# KiCad board analog_i.kicad_pcb (continued)
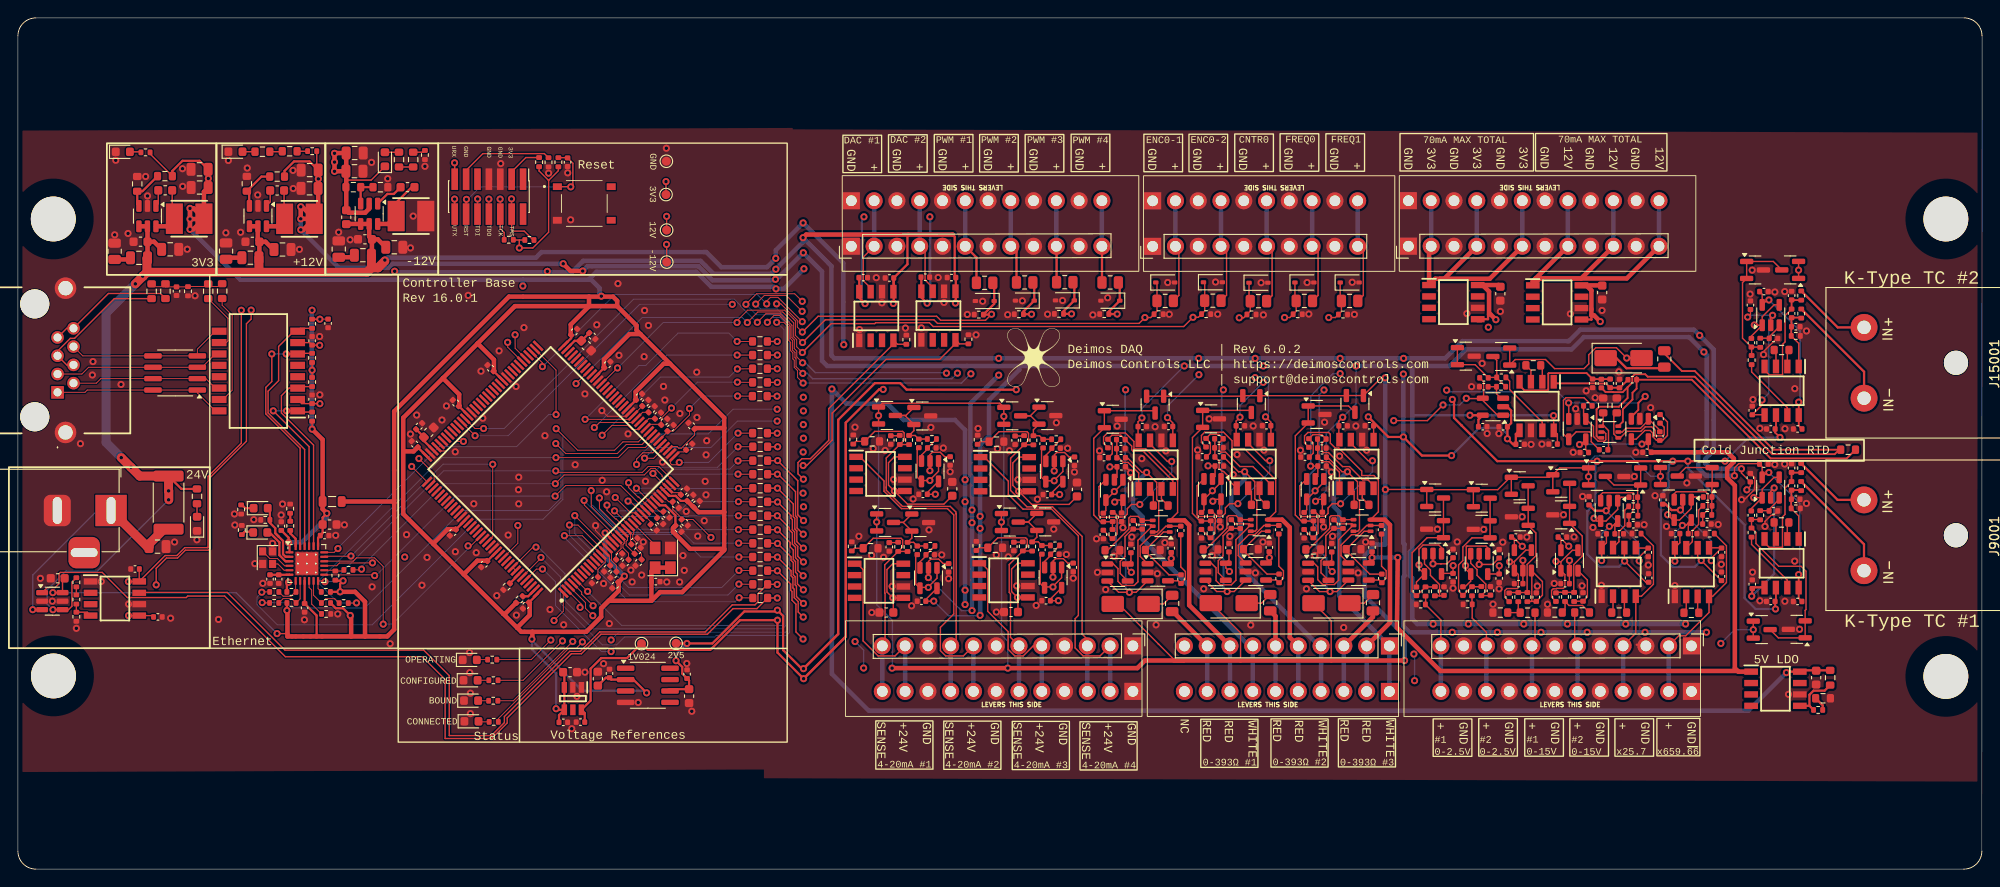
[diagram p0: board, top side]
## Routing (per net, layer and track width the routed paths; a pad name or vN(x,y) marks a point on that pad's centre or on a via; arc(x,y) is an arc through that point) (continued)
/analog_frontend/4-20mA Frontend1/+24_EXC: length 39.5
  Top w0.15: IC20001.1 93.89,46.01 96.58,43.32 96.58,42.19 98.53,40.23 103.65,40.23 104.36,39.53 104.36,28.47 102.87,26.98 102.87,24.38 103.46,23.79 105.43,23.79 J3003.8
  Bottom w0.5: J3003.8 J3003.8
/analog_frontend/4-20mA Frontend1/SIGNAL: length 43.8
  Top w0.15: 96.83,42.52 96.83,42.63 ; 96.83,42.63 96.83,42.29 98.63,40.48 103.96,40.48 104.59,39.85 104.59,39.67 104.63,39.64 104.63,25.53 J3003.9 ; 96.83,42.63 96.83,45.88 R14001.2 ; R14001.2 99.36,47.39 R33001.1 ; R14001.2 98.83,47.88 98.83,48.67 98.65,48.85 95.54,48.85 R14002.2 93.45,47.74 R32001.1
  Bottom w0.5: J3003.9 J3003.9
/analog_frontend/4-20mA Frontend2/+24_EXC: length 20.7
  Top w0.15: J3003.5 113.22,24.91 112.1,23.79 111.16,23.79 110.42,24.54 110.42,26.5 108.14,28.78 108.14,33.43 107.44,34.13 IC24001.1
  Bottom w0.5: J3003.5 J3003.5
/analog_frontend/4-20mA Frontend2/SIGNAL: length 25.6
  Top w0.15: R31001.1 113.09,35.51 R18001.2 ; R18001.2 112.55,36 112.55,36.8 112.37,36.97 109.27,36.97 R18002.2 107.18,35.86 R30001.1 ; R18001.2 110.54,33.99 110.54,30.88 110.68,30.74 110.68,25.86 J3003.6
  Bottom w0.5: J3003.6 J3003.6
/analog_frontend/4-20mA Frontend3/+24_EXC: length 37.9
  Top w0.15: IC28001.1 107.75,45.98 110.44,43.29 110.44,41.81 112.1,40.16 112.11,40.17 115.27,40.17 118.25,37.19 118.25,28.31 117.89,27.95 117.89,24.68 118.78,23.79 120.66,23.79 J3003.2
  Bottom w0.5: J3003.2 J3003.2
/analog_frontend/4-20mA Frontend3/SIGNAL: length 42.2
  Top w0.15: R22001.2 113.23,47.36 R29001.1 ; R22001.2 112.69,47.85 112.69,48.65 112.51,48.82 109.41,48.82 R22002.2 107.32,47.71 R28001.1 ; R22001.2 110.69,45.85 110.69,42.26 112.52,40.43 115.37,40.43 118.67,37.12 118.67,26.22 119.25,25.65 J3003.3
  Bottom w0.5: J3003.3 J3003.3
/analog_frontend/4-20mA Frontend/+24_EXC: length 20.1
  Top w0.15: J3003.11 97.81,23.79 95.92,23.79 94.24,25.47 94.24,33.43 93.59,34.08 IC17004.1
  Bottom w0.5: J3003.11 J3003.11
/analog_frontend/4-20mA Frontend/SIGNAL: length 25.3
  Top w0.15: R34001.1 93.28,35.81 R11002.2 95.37,36.92 98.48,36.92 98.66,36.75 98.66,35.95 R11001.2 ; R11001.2 96.66,33.95 96.66,30.82 96.69,30.79 96.69,25.22 J3003.12 ; R11001.2 99.19,35.46 R35001.1
  Bottom w0.5: J3003.12 J3003.12
/analog_frontend/AIN2: length 127.7
  Top w0.15: C15007.2 163.44,54.39 163.44,52.81 163.14,52.51 ; v1(153.42,50.05) 157.17,50.05 v1(158.92,51.8) ; 165.41,50.61 165.04,50.61 163.14,52.51 ; 163.14,52.51 161.54,52.51 v1(161.51,52.55) ; R6003.1 84.67,33.31 v1(84.69,33.29) 86.17,31.81 86.17,31.13 86.32,30.98 86.32,30 86.76,29.56 86.76,26.47 v1(87.55,25.68)
  In2.Cu w0.15: v1(155.67,24) 155.67,33.34 155.65,33.35 155.65,36.07 155.67,36.09 155.67,46.24 153.42,48.49 v1(153.42,50.05) ; v1(155.74,21.03) 155.03,21.74 95.01,21.74 v1(94.3,22.44) ; v1(87.55,25.68) 87.83,25.4 v1(93.35,25.4)
  Bottom w0.15: v1(158.92,51.8) 160.77,51.8 v1(161.51,52.55) ; v1(93.35,25.4) 94.3,24.44 v1(94.3,22.44) 94.34,22.4 ; v1(155.67,24) 155.74,23.93 v1(155.74,21.03)
/analog_frontend/AIN3: length 32.5
  Top w0.15: v1(87.57,28.13) 87.01,28.69 87.01,29.85 86.57,30.29 86.57,31.24 86.42,31.39 86.42,32.53 86.21,32.74 86.21,33.3 v1(84.69,34.82) 84.68,34.83 R6007.1 ; U35001.1 102.49,32.47 101.52,31.5 v1(101.52,31.44) 100.68,31.44 U35001.4 100.11,31.82 100.11,34.93 C35002.2
  In2.Cu w0.15: v1(101.52,31.44) 100.83,32.13 97.24,32.13 93.24,28.13 v1(87.57,28.13)
/analog_frontend/AIN4: length 41.7
  Top w0.15: 102.66,45.55 102.66,44.4 101.69,43.43 v1(101.69,43.37) 100.85,43.37 U33001.4 100.28,43.75 100.28,46.85 C33002.2 ; v1(87.59,29.65) 86.82,30.42 86.82,31.58 86.67,31.73 86.67,32.63 86.46,32.84 86.46,34.22 86.21,34.47 86.21,34.84 v1(84.71,36.34) 84.69,36.36 R6008.1
  In2.Cu w0.15: v1(101.69,43.37) 101.69,43.65 101.12,44.23 97.17,44.23 94.62,41.68 94.62,40.49 87.75,33.63 87.64,33.63 86.89,32.89 86.89,32.59 87.45,32.04 88.16,32.04 88.16,30.22 v1(87.59,29.65)
/analog_frontend/AIN5: length 53.4
  Top w0.15: R6004.1 84.68,37.88 v1(84.7,37.86) 86.11,36.45 86.11,35.96 86.46,35.61 86.46,34.57 86.71,34.32 86.71,33.13 86.92,32.92 86.92,31.83 v1(87.58,31.17) ; U31001.1 116.38,32.52 115.42,31.55 v1(115.42,31.49) 114.58,31.49 U31001.4 114.01,31.87 114.01,34.98 C31002.2
  In2.Cu w0.15: v1(115.42,31.49) 116.6,30.31 116.6,29.72 114.3,27.43 87.3,27.43 86.77,27.96 86.77,30.36 v1(87.58,31.17)
/analog_frontend/AIN6: length 51.6
  Top w0.15: v1(87.56,32.74) 86.98,33.32 86.98,34.47 86.71,34.74 86.71,35.92 86.36,36.27 86.36,37.53 86.01,37.87 86.01,38.1 v1(84.68,39.43) R6005.1 ; C29002.2 114.15,46.83 114.15,43.72 U29001.4 114.72,43.34 v1(115.56,43.34) 115.56,43.4 116.52,44.37 U29001.1
  In2.Cu w0.15: v1(115.56,43.34) 116.74,42.16 116.74,41.57 111.42,36.25 91.07,36.25 v1(87.56,32.74)
/analog_frontend/AIN7: length 69.9
  Top w0.15: v1(87.59,34.28) 86.96,34.91 86.96,36.02 86.61,36.37 86.61,37.64 86.36,37.89 86.36,39 86.21,39.15 86.21,39.47 v1(84.71,40.97) 84.7,40.98 R6006.1 ; U21001.1 123.22,43.08 122.28,42.14 v1(122.26,42.14) 122.26,42.12 U21001.4 121.32,40.01 C21002.2
  In2.Cu w0.15: v1(87.59,34.28) 86.52,33.2 86.52,27.68 87.22,26.97 118.92,26.97 119.7,27.75 119.7,39.58 v1(122.26,42.14)
/analog_frontend/AIN8: length 77.9
  Top w0.15: R6009.1 84.69,42.51 v1(84.7,42.51) 86.46,40.75 86.46,39.33 86.63,39.16 86.63,37.97 86.86,37.74 86.86,36.54 v1(87.58,35.82) ; C24003.2 132.26,40.09 U24001.4 133.2,42.21 v1(133.2,42.22) 133.21,42.22 134.16,43.17 U24001.1
  In2.Cu w0.15: v1(87.58,35.82) 86.27,34.5 86.27,27.57 87.12,26.72 119.79,26.72 121.88,28.81 121.88,31.89 131.69,41.7 132.68,41.7 v1(133.2,42.22)
/analog_frontend/AIN9: length 106.2
  Top w0.15: R6010.1 v1(84.69,44.07) 84.76,44.07 86.71,42.12 86.71,39.44 86.88,39.27 86.88,38.07 v1(87.57,37.38) ; C27002.2 143.71,40.09 U27001.4 144.65,42.2 v1(144.65,42.22) 144.67,42.22 145.61,43.16 U27001.1
  In2.Cu w0.15: 143.72,26.41 143.99,26.68 ; 143.72,26.41 143.99,26.68 ; 143.72,26.41 87.07,26.41 86.02,27.47 86.02,35.83 v1(87.57,37.38) ; 143.99,26.68 151.57,34.26 151.57,35.3 150.94,35.93 149,35.93 144.12,40.81 144.12,41.69 v1(144.65,42.22)
/analog_frontend/AIN10: length 154.9
  Top w0.15: U17002.1 193.29,40.24 C17006.2 ; U17002.1 v1(193.57,41.46) 193.58,41.45 ; U17002.1 194.5,42.4 195.83,43.72 U17002.4 ; R6011.1 84.71,45.58 v1(84.72,45.59) 86.96,43.35 86.96,39.54 v1(87.6,38.9)
  In2.Cu w0.15: v1(193.57,41.46) 191.72,39.61 191.72,24.35 189.77,22.4 127.53,22.4 126.39,23.54 95.32,23.54 94.15,24.71 87.37,24.71 85.77,26.32 85.77,37.06 v1(87.6,38.9)
/analog_frontend/AIN11: length 178.5
  Top w0.15: U19001.1 193.3,59.49 C19002.2 ; U19001.1 194.51,61.65 195.83,62.97 U19001.4 ; U19001.1 193.66,60.7 v1(193.63,60.72) ; R6012.1 v1(84.72,47.13)
  In2.Cu w0.15: v1(84.72,47.13) 85.81,47.13 86.03,46.92 86.03,45.55 86.42,45.15 86.42,43.96 86.73,43.65 86.73,42.38 86.95,42.16 86.95,41.09 v1(87.6,40.44) 85.52,38.36 85.52,26.11 87.3,24.33 93.92,24.33 94.97,23.29 126.06,23.29 127.36,21.99 189.79,21.99 192.39,24.59 192.39,38.98 194.14,40.73 194.14,42.95 192.79,44.3 192.79,59.89 v1(193.63,60.72)
/analog_frontend/AIN12: length 112.4
  Top w0.15: C47002.2 155.95,32.04 U47001.4 156.23,33.55 v1(156.23,33.95) 156.23,35.72 156.68,36.17 158.45,36.17 158.75,35.87 U47001.1 ; R6013.1 84.66,48.66 v1(84.67,48.65)
  In2.Cu w0.15: v1(156.23,33.95) 156.23,33.95 156.23,50.34 155.14,51.43 91.54,51.43 91.18,51.08 91.18,41.96 87.55,41.96 v1(87.55,41.96) 86.98,42.53 86.98,43.8 86.67,44.11 86.67,45.26 86.28,45.66 86.28,47.53 85.15,48.65 v1(84.67,48.65)
/analog_frontend/AIN13_DAC0: length 50.6
  Top w0.1: 72.56,47.52 IC6001.40 70.89,45.85 69.91,45.85 v1(69.88,45.86) 69.89,45.85 69.9,45.85
  Top w0.15: R53001.1 98.07,58.57 IC53001.4 ; IC53001.4 97.63,58.61 90.42,51.4 90.42,47.85 88.37,45.8 87.42,45.8 86.98,45.37 86.98,44.11 v1(87.58,43.52) ; IC53001.4 97.6,58.99
  In2.Cu w0.1: v1(84.66,50) 85.73,50 86.33,49.41 86.33,47.8 86.5,47.62 86.5,45.75 86.9,45.35 86.9,44.2 v1(87.58,43.52)
  Bottom w0.1: v1(84.66,50) 80.23,50 77.27,47.04 71.06,47.04 v1(69.88,45.86)
/analog_frontend/AIN14_DAC1: length 57.2
  Top w0.1: 69,45.15 v1(68.99,45.16) 69,45.77 69.68,46.46 70.79,46.46 IC6001.41
  Top w0.15: v1(87.56,45.04) 87.96,45.04 90.79,47.88 90.79,50.88 96.82,56.9 102.8,56.9 104.55,58.65 IC54001.4 ; IC54001.4 104.52,59.04 ; IC54001.4 105,58.62 R54001.1
  In2.Cu w0.1: v1(87.56,45.04) 86.7,45.9 86.7,47.78 86.53,47.95 86.53,49.5 86.14,49.88 86.14,50.82 85.64,51.33 v1(84.66,51.33)
  Bottom w0.1: v1(84.66,51.33) 79.75,51.33 76.99,48.57 71.79,48.57 68.99,45.76 v1(68.99,45.16)
/analog_frontend/AIN15: length 111.8
  Top w0.15: U45001.1 163.9,35.86 163.7,36.05 161.59,36.05 161.51,35.97 161.51,33.41 U45001.4 162,32.13 161.37,31.51 C45002.2 161.17,31.54 ; R6016.1 84.65,52.79 v1(84.65,52.78)
  In2.Cu w0.15: v1(161.43,33.87) 161.43,41.32 160.77,41.98 158.19,41.98 156.75,43.42 156.75,50.23 155.3,51.68 91.44,51.68 90.73,50.97 90.73,46.63 87.64,46.63 v1(87.56,46.55) 86.96,47.15 86.96,48.11 86.75,48.32 86.75,49.66 86.37,50.04 86.37,50.92 86.17,51.12 86.17,52.24 85.63,52.78 v1(84.65,52.78)
/analog_frontend/AIN16: length 115.8
  Top w0.15: 166.87,34.32 U43001.1 167.32,32.87 167.32,31.43 167.2,31.31 166.03,31.31 165.81,31.09 165.81,30.34 C43002.2 ; 166.87,34.32 166.85,34.3 v1(166.35,34.3) ; 166.87,34.32 168.14,35.6 U43001.4 ; R6017.1 v1(84.68,54.32)
  In2.Cu w0.15: v1(84.68,54.32) 85.8,54.32 85.98,54.14 85.98,52.78 86.42,52.34 86.42,51.22 86.62,51.02 86.62,50.14 87,49.76 87,48.68 v1(87.59,48.09) 90.31,48.09 90.32,48.1 90.32,50.92 91.34,51.94 155.76,51.94 157.26,50.44 157.26,43.61 158.24,42.63 165.07,42.63 166.35,41.35 v1(166.35,34.3)
/analog_frontend/AIN17: length 119.3
  Top w0.15: v1(171.51,34.35) 171.55,34.31 172.06,34.31 ; C41002.2 171.02,30.36 171.02,31.11 171.2,31.29 171.56,31.29 171.61,31.33 172.33,31.33 172.5,31.5 172.5,32.87 U41001.1 172.06,34.31 ; 172.06,34.31 173.34,35.58 U41001.4 ; R6018.1 84.67,55.85 v1(84.67,55.84)
  In2.Cu w0.15: v1(171.51,34.35) 171.51,41.04 168.92,43.63 158.49,43.63 157.85,44.27 157.85,50.47 156.05,52.27 91.32,52.27 89.99,50.94 89.99,49.63 89.97,49.61 v1(87.58,49.61) 86.87,50.32 86.87,51.24 86.67,51.44 86.67,52.55 86.23,52.99 86.23,55.8 86.19,55.84 v1(84.67,55.84)
/analog_frontend/AIN18: length 116.3
  Top w0.15: C39002.2 178.78,41.51 U39001.1 178.39,40.14 177.09,38.84 U39001.4 176.07,38.84 v1(175.76,39.16) ; R6019.1 v1(84.68,57.37)
  In2.Cu w0.15: v1(175.76,39.16) 175.76,44.56 175.66,44.65 173.72,44.65 173.46,44.39 173.46,44.35 158.79,44.35 158.32,44.83 158.32,50.58 158.34,50.6 156.42,52.52 91.21,52.52 89.83,51.14 v1(87.59,51.14) 86.92,51.81 86.92,52.82 86.48,53.26 86.48,57.1 86.21,57.37 v1(84.68,57.37)
/analog_frontend/AIN19: length 123.4
  Top w0.15: 184.7,38.95 185.29,38.95 186.6,40.26 186.6,41.23 186.9,41.53 C37002.2 ; U37001.4 184.56,38.95 v1(183.97,39.55) ; R6020.1 v1(84.67,58.89)
  In2.Cu w0.15: v1(183.97,39.55) 184.11,39.69 184.11,43.89 183.09,44.9 159.17,44.9 158.69,45.38 158.69,49.17 158.67,49.19 158.67,50.8 156.7,52.77 87.69,52.77 v1(87.58,52.66) 86.73,53.51 86.73,58.83 86.67,58.89 v1(84.67,58.89)
/analog_frontend/COUNTER0: length 106.1
  Top w0.1: v1(82.45,61.03) 83.4,61.98 85.02,61.98 86.31,60.69 86.31,59.32 86.57,59.06 86.57,58.1 86.85,57.82 86.85,57.16 v1(87.5,56.51) ; IC6001.96 50.97,49.17 v1(51.93,49.17)
  Top w0.15: v1(136.19,61.53) 136.68,61.53 R50002.1 137.42,62.27 R50001.2 137.28,63.52 D50001.1
  In2.Cu w0.15: v1(103.54,55.35) 107.62,59.43 126.09,59.43 126.31,59.64 134.3,59.64 v1(136.19,61.53)
  Bottom w0.1: v1(51.93,49.17) 54.22,49.17 68.65,63.61 79.86,63.61 80.61,62.86 80.61,62.79 82.38,61.03 v1(82.45,61.03)
  Bottom w0.15: v1(103.54,55.35) 103.49,55.4 88.92,55.4 87.81,56.51 v1(87.5,56.51)
/analog_frontend/dac_buf1/VOUT: length 10.7
  Top w0.15: J3006.4 101.16,68.91 101.16,65.75 102.01,64.9 IC54001.7
  Bottom w0.5: J3006.4 J3006.4
/analog_frontend/dac_buf/VOUT: length 11
  Top w0.15: 95.09,64.44 95.09,64.86 94.27,65.68 94.27,68.31 J3006.2
  Bottom w0.5: J3006.2 J3006.2
/analog_frontend/ENCODER0_0: length 73
  Top w0.1: v1(80.19,61.01) 80.19,61.2 81.37,62.38 85.5,62.38 86.71,61.17 86.71,59.56 v1(87.5,58.78) ; v1(66.86,55.93) 65.08,54.16 IC6001.60
  Top w0.15: v1(125.67,61.56) 125.02,60.9 102.54,60.9 102.14,61.3 90.02,61.3 v1(87.5,58.78) ; v1(125.67,61.56) 125.68,61.56 ; v1(125.67,61.56) 126.32,61.56 R48002.1 126.69,61.97 127.02,62.29 R48001.2 127.02,65.34 D48001.1
  Bottom w0.1: 66.88,55.92 66.86,55.9 v1(66.86,55.93) 66.89,55.93 71.96,61.01 v1(80.19,61.01)
/analog_frontend/ENCODER0_1: length 84.7
  Top w0.1: v1(81.33,61) 82.51,62.18 85.28,62.18 86.51,60.95 86.51,59.41 86.84,59.08 86.84,58.3 v1(87.48,57.66) ; 62.27,54.2 62.24,54.17 v1(62.24,54.18) 62.25,54.18 63.64,55.57 IC6001.64
  Top w0.15: v1(87.48,57.66) 90.69,60.88 95.54,60.88 95.64,60.98 101.64,60.98 102.07,60.55 130,60.55 v1(131.03,61.58) 131.63,61.58 R49002.1 132.34,62.29 R49001.2 132.34,65.36 D49001.1
  Bottom w0.1: v1(62.24,54.18) 69.61,61.56 80.78,61.56 v1(81.33,61)
/analog_frontend/FREQ0: length 144.9
  Top w0.1: v1(87.53,55.33) 86.77,56.08 86.77,56.96 86.65,57.08 86.65,57.66 86.37,57.94 86.37,58.98 86.11,59.24 86.11,60.61 84.94,61.78 84.3,61.78 83.57,61.05 v1(83.57,61.03) ; 57.78,35.87 57.37,35.87 IC6001.136 IC6001.137
  Top w0.15: v1(141.24,61.56) 141.83,61.56 R51002.1 142.54,62.26 142.54,63.41 142.4,63.55 D51001.1
  In2.Cu w0.15: v1(104.77,55.35) 108.24,58.83 136.29,58.83 137.46,59.99 139.68,59.99 v1(141.24,61.56)
  Bottom w0.1: v1(83.57,61.03) 84.12,61.58 84.97,61.58 85.62,60.93 85.62,27.16 85.27,26.81 64.14,26.81 61.01,29.95 61.01,32.96 58.12,35.85 57.78,35.87 57.8,35.85
  Bottom w0.15: 104.84,55.43 v1(104.77,55.35) 104.14,54.73 88.62,54.73 88.02,55.33 v1(87.53,55.33) 87.58,55.28
  vias: v1(57.77,35.93)
/analog_frontend/FREQ1: length 134.5
  Top w0.1: IC6001.5 62.26,32.26 v1(63.53,30.99) ; v1(84.61,61.03) 85.41,61.03 85.91,60.52 85.91,59.04 86.17,58.78 86.17,57.86 86.41,57.61 86.41,56.94 86.57,56.79 86.57,56 86.94,55.63 86.94,54.86 v1(87.56,54.25)
  Top w0.15: v1(146.17,61.56) 146.91,61.56 R52002.1 147.59,62.23 R52001.2 147.45,63.55 D52001.1
  In2.Cu w0.15: v1(106.27,55.28) 108.9,57.92 137.1,57.92 138.25,59.07 143.68,59.07 v1(146.17,61.56)
  Bottom w0.1: v1(63.53,30.99) 67.32,27.2 85.38,27.2 85.42,27.25 85.42,60.22 v1(84.61,61.03)
  Bottom w0.15: v1(106.27,55.28) 106.25,55.28 105.22,54.25 v1(87.56,54.25)
/analog_frontend/K-Type TC Amp1/Signal+: length 12.5
  Top w0.15: IC15001.4 194.77,55.68 195.3,55.16 196.78,55.16 196.78,58.56 197.06,58.85 197.06,61.78 C15002.1
  Top w0.2: R15001.2 197.81,63.5 C15001.1 C15002.1
/analog_frontend/K-Type TC Amp1/Signal-: length 6.8
  Top w0.15: IC15001.1 198.58,58.67 R15003.1
  Top w0.2: 198.85,61.56 197.89,61.56 197.85,61.6 ; R15003.1 197.75,60.51 197.77,60.53 197.77,61.53 C15002.2
/analog_frontend/K-Type TC Amp/Signal+: length 12.5
  Top w0.15: IC9001.4 194.77,36.43 195.29,35.91 196.77,35.91 196.77,39.31 197.05,39.59 197.05,42.52 C9002.1
  Top w0.2: C9002.1 C9001.1 197.8,44.25 R9001.2
/analog_frontend/K-Type TC Amp/Signal-: length 6.8
  Top w0.15: R9003.1 198.58,39.42 IC9001.1
  Top w0.2: 198.84,42.31 197.88,42.31 197.84,42.35 ; R9003.1 197.74,41.26 C9003.1 197.76,42.28 C9002.2
/analog_frontend/PWM0: length 74.4
  Top w0.1: v1(84.6,63.09) 85.07,63.09 86.91,61.25 86.91,60.5 v1(87.47,59.94) ; v1(50.98,48.37) 49.51,49.83 IC6001.97
  Top w0.15: v1(108.57,61.93) 107.9,61.25 102.89,61.25 102.44,61.7 89.23,61.7 v1(87.47,59.94)
  Top w0.25: R55002.1 108.87,65.28 108.87,63.1 R55001.1 108.53,61.89 v1(108.57,61.93)
  In2.Cu w0.1: v1(84.6,63.09) 84,62.48 80.21,62.48 v1(79.66,63.03)
  Bottom w0.1: v1(79.66,63.03) 69.33,63.03 54.67,48.37 v1(50.98,48.37) 50.98,48.32 51.01,48.35
/analog_frontend/PWM1: length 67.4
  Top w0.1: IC6001.75 58.49,56.5 v1(58.49,56.08) ; v1(83.49,63.09) 83.49,63.39 83.91,63.81 84.75,63.81 v1(87.46,61.1)
  Top w0.25: v1(113.03,61.93) R56001.1 112.13,62.24 D56001.1 113.33,65.32 R56002.1
  In2.Cu w0.15: v1(113.03,61.93) 112.2,61.1 v1(87.46,61.1)
  Bottom w0.1: 58.5,56.07 58.49,56.06 v1(58.49,56.08) 58.51,56.08 66.55,64.13 82.45,64.13 v1(83.49,63.09)
/analog_frontend/PWM2: length 118.2
  Top w0.1: v1(87.45,62.25) 85.69,64.01 83.23,64.01 v1(82.27,63.06) ; IC6001.139 56.23,32.62 58.33,34.71 v1(58.33,34.78)
  Top w0.25: R57002.1 117.8,65.35 D57001.1 116.6,62.27 116.6,61.97 v1(117.49,61.97)
  In2.Cu w0.15: v1(87.45,62.25) 87.7,62.5 116.95,62.5 v1(117.49,61.97)
  Bottom w0.1: v1(82.27,63.06) 82.8,62.54 84.63,62.54 86.04,61.12 86.04,26.42 85.71,26.08 77.85,26.08 77.68,25.9 67.65,25.9 66.76,25.02 65.17,25.02 60.51,29.68 60.51,32.6 v1(58.33,34.78) 58.34,34.77
  Bottom w0.15: 87.6,62.4 v1(87.45,62.25)
/analog_frontend/PWM3: length 125.1
  Top w0.1: v1(87.46,63.37) 86.62,64.21 82.36,64.21 v1(81.18,63.03) ; IC6001.140 57.81,33.48 v1(58.5,33.48)
  Top w0.25: R58002.1 122.87,65.32 D58001.1 121.65,62.22 R58001.1 v1(122.58,61.95)
  In2.Cu w0.1: v1(66.14,25.57) v1(66.14,24.27)
  In2.Cu w0.15: v1(87.46,63.37) 88.12,64.03 120.34,64.03 122.42,61.95 v1(122.58,61.95)
  Bottom w0.1: 58.52,33.47 58.51,33.47 v1(58.5,33.48) 58.53,33.47 58.55,33.47 59.95,32.07 59.95,29.4 65.07,24.27 v1(66.14,24.27) ; v1(81.18,63.03) 82.35,61.87 84.97,61.87 85.84,60.99 85.84,26.69 85.59,26.43 67.01,26.43 v1(66.14,25.57)
/analog_frontend/pwm_out_buf1/VOUT: length 9.4
  Top w0.25: 111.33,65.5 R56002.2 111.35,68.88 J3006.8
  Bottom w0.5: J3006.8 J3006.8
/analog_frontend/pwm_out_buf2/VOUT: length 9.1
  Top w0.25: J3006.10 115.82,69.49 R57002.2 115.8,65.53
  Bottom w0.5: J3006.10 J3006.10
/analog_frontend/pwm_out_buf3/VOUT: length 9.1
  Top w0.25: J3006.12 120.89,69.51 R58002.2 120.88,65.48
  Bottom w0.5: J3006.12 J3006.12
/analog_frontend/pwm_out_buf/VOUT: length 9.7
  Top w0.25: R55002.2 106.89,68.27 J3006.6
  Bottom w0.5: J3006.6 J3006.6
/analog_frontend/RTD Amp1/R+: length 9.2
  Top w0.5: R13003.2 140.24,28.23 J3002.6
  Bottom w0.5: J3002.6 J3002.6
/analog_frontend/RTD Amp1/R-: length 38.9
  Top w0.15: U13001.3 140.25,39.88 140.25,43.44 136.76,46.93 135.45,46.93 135.39,46.99 135.39,47.81 134.43,48.76 132.34,48.76 131.98,48.4 131.98,47.62 R13004.2
  Top w0.5: J3002.5 141.83,25.86 141.83,38.14 140.96,39 U13001.3
  Bottom w0.5: J3002.5 J3002.5
/analog_frontend/RTD Amp1/rtd_amp_inner/Signal+: length 14
  Top w0.15: C13001.2 132.97,46.45 132.97,47.58 R13004.1 132.93,48.51 133.92,48.51 C13002.1 133.95,47.58 133.95,46.71 134.13,46.53 134.66,46.53 136.27,44.93 137.71,44.93 139.72,42.92 IC13001.4
/analog_frontend/RTD Amp1/rtd_amp_inner/Signal-: length 6.6
  Top w0.15: 133.47,48 133.47,46 133.95,45.53 133.95,44.73 134.29,44.38 134.45,44.38 134.93,43.9 134.93,43.49 IC13001.1
/analog_frontend/RTD Amp1/rtd_amp_inner/Vout: length 14.1
  Top w0.15: IC13001.7 137.18,47.52 139.12,45.58 v1(139.59,45.58) ; v1(136.04,40.78) 135.11,40.78 134.64,40.32 134.64,39.72 134.31,39.38 133.7,39.38 133.19,39.89 R24001.1
  Bottom w0.15: v1(136.04,40.78) 139.59,44.34 v1(139.59,45.58)
/analog_frontend/RTD Amp1/W-: length 40.3
  Top w0.15: U13001.6 137.94,37.7 138.15,37.91 138.15,41.11 137.93,41.33 137.93,43.23 v1(136.8,44.35) 136.13,44.35 136.12,44.34 134.45,46 R13005.2
  Bottom w0.5: v1(136.8,44.35) 136.8,43.52 135.29,42.01 135.29,40.47 136.35,39.41 136.35,33.64 145.08,24.91 J3002.4 J3002.4
/analog_frontend/RTD Amp2/R+: length 10.7
  Top w0.2: J3002.3 148.2,24.91
  Top w0.5: J3002.3 151.1,28.15 R17003.2
  Bottom w0.5: J3002.3 J3002.3
/analog_frontend/RTD Amp2/R-: length 39.8
  Top w0.15: R17004.2 143.47,47.56 143.47,48.35 143.85,48.73 146.15,48.73 146.35,48.54 146.35,47.55 146.91,46.99 147.29,46.99 149.85,44.43 149.85,43.92 151.22,43.92 151.71,43.43 151.71,39.88 U17001.3
  Top w0.5: U17001.3 152.42,39 153,38.42 153,27.51 J3002.2
  Bottom w0.5: J3002.2 J3002.2
/analog_frontend/RTD Amp2/rtd_amp_inner/Signal+: length 13.9
  Top w0.15: C17001.2 144.44,46.42 144.44,47.55 R17004.1 144.4,48.48 145.39,48.48 145.88,48 145.42,47.54 145.42,46.64 145.57,46.49 146.15,46.49 147.71,44.92 148.49,44.92 149.97,43.44 150.54,43.44 151.17,42.81 IC17001.4
/analog_frontend/RTD Amp2/rtd_amp_inner/Signal-: length 6.9
  Top w0.15: C17002.2 144.94,47.97 R17005.1 145.45,45.47 146.18,45.47 147.36,44.29 IC17001.1
/analog_frontend/RTD Amp2/rtd_amp_inner/Vout: length 14.1
  Top w0.15: IC17001.7 148.63,47.52 150.57,45.58 v1(151.05,45.58) ; v1(147.49,40.78) 146.56,40.78 146.1,40.31 146.1,39.71 145.76,39.38 145.15,39.38 144.64,39.89 R27001.1
  Bottom w0.15: v1(151.05,45.58) 151.05,44.33 v1(147.49,40.78)
/analog_frontend/RTD Amp2/W-: length 38.5
  Top w0.15: R17005.2 146.03,45.97 147.65,44.35 v1(148.25,44.35) 149.38,43.22 149.38,41.33 149.6,41.11 149.6,37.9 149.4,37.7 U17001.6
  Bottom w0.5: v1(148.25,44.35) 146.74,42.84 146.74,40.45 147.35,39.84 147.35,30.49 J3002.1 J3002.1
/analog_frontend/RTD Amp/R+: length 10.6
  Top w0.5: R5003.2 128.79,28.73 J3002.9
  Bottom w0.5: J3002.9 J3002.9
/analog_frontend/RTD Amp/R-: length 40.2
  Top w0.15: U5001.3 129.32,39.8 129.32,43.35 125.76,46.91 124.45,46.91 124.45,47.72 123.49,48.67 121.49,48.67 121.06,48.25 121.06,47.5 R5004.2
  Top w0.5: U5001.3 130.08,38.92 130.61,38.39 130.61,29.46 J3002.8
  Bottom w0.5: J3002.8 J3002.8
/analog_frontend/RTD Amp/rtd_amp_inner/Signal+: length 13.1
  Top w0.15: IC5001.4 128.78,43.34 125.46,46.66 124.35,46.66 124.2,46.81 124.2,47.21 C5002.1 122.98,48.42 122,48.42 R5004.1 122.03,47.49 122.03,46.36 C5001.2
/analog_frontend/RTD Amp/rtd_amp_inner/Signal-: length 7
  Top w0.15: IC5001.1 124.97,44.21 123.8,45.39 123.26,45.39 122.74,45.91 R5005.1 122.54,47.91 C5002.2
/analog_frontend/RTD Amp/rtd_amp_inner/Vout: length 14.1
  Top w0.15: IC5001.7 126.24,47.43 128.18,45.5 v1(128.66,45.5) ; v1(125.1,40.7) 124.17,40.7 123.71,40.23 123.71,39.63 123.37,39.3 122.76,39.3 122.25,39.81 R21001.1
  Bottom w0.15: v1(128.66,45.5) 128.66,44.25 v1(125.1,40.7)
/analog_frontend/RTD Amp/W-: length 41.6
  Top w0.15: R5005.2 123.71,45.91 125.36,44.27 v1(125.86,44.27) 126.99,43.14 126.99,41.25 127.21,41.03 127.21,37.82 127,37.62 U5001.6
  Bottom w0.5: J3002.7 J3002.7 137.31,24.91 125.41,36.81 125.41,39.32 124.35,40.39 124.35,42.76 v1(125.86,44.27)
/analog_frontend/rtd_amp_inner1/250uA_SINK_1: length 34.8
  Top w0.2: R3001.1 203.93,45.83 195.46,45.83 186.67,54.62 R4005.2 ; U4001.6 178.97,49.94 178.97,51.34 180.04,52.41 180.04,53.17 180.5,53.63 180.5,54.93
/analog_frontend/rtd_amp_inner1/250uA_SINK_2: length 65.2
  Top w0.2: R4004.2 177.03,53.25 177.87,53.25 177.89,53.23 178.95,53.23 179.5,53.78 ; 179.5,53.78 180.02,54.31 180.02,54.96 180.29,55.23 181.46,55.23 181.74,54.96 186.99,54.96 195.64,46.31 202.59,46.31 203.09,46.81 R3001.2 195.77,46.81 186.98,55.59 185.55,55.59 183.59,57.55 R4003.2 ; 179.5,53.78 179.5,52.58 178.53,51.61 176.34,51.61 176.04,51.31 176.04,48.33 176.24,48.13 U4001.3
/analog_frontend/rtd_amp_inner1/Signal+: length 12.8
  Top w0.2: IC4001.4 167.45,53.98 168,53.43 170.54,53.43 170.65,53.55 170.65,55.3 170.71,55.36 174.93,55.36 C4001.2 C4002.1
/analog_frontend/rtd_amp_inner1/Signal-: length 8.9
  Top w0.2: R4005.1 178.63,53.71 C4003.1 178.57,53.73 C4002.2 177.09,54.19 176.02,54.19 176,54.21 171.44,54.21 IC4001.1
/analog_frontend/rtd_amp_inner1/Vout: length 7.7
  Top w0.15: IC4001.7 169.99,49.88 166.35,53.52 166.35,54.46 R15004.2 165.81,54.99
/base/AIN0: length 102.1
  Top w0.15: v1(84.68,30.25) 84.67,30.26 R6001.1 82.41,29.07 79.74,29.07 76.89,26.22 65.02,26.22 62.84,24.03 61.72,24.03 54.56,16.87 54.56,16.3 52.82,14.57 47.64,14.57 47.64,21.16 45.1,23.7 29.82,23.7 23.05,30.47 18.94,30.47 18.77,30.3 12.21,30.3 9.4,33.11 4.73,33.11 4.58,32.97 4.58,31.86 4.15,31.43 3.27,31.43 U8001.1
/base/AIN1: length 89.6
  Top w0.15: IC8001.7 13.57,30.88 23.34,30.88 29.78,24.44 45.25,24.44 48.1,21.59 48.1,14.9 52.8,14.9 54.25,16.35 54.25,17.02 61.53,24.3 62.71,24.3 64.87,26.47 76.63,26.47 79.66,29.49 82.19,29.49 82.52,29.82 82.52,30.71 R6002.1 84.66,31.78 v1(84.67,31.77)
/base/Micro/AIN0_Filt: length 32.4
  Top w0.1: C6001.1 64.68,33.44 65.49,34.25 65.49,34.65 IC6001.13 62.94,37.2 60.97,37.2 v1(60.94,37.21) 60.95,37.2 60.96,37.2 ; 80.45,30.26 v1(80.42,30.28) R6001.2
  Bottom w0.1: v1(60.94,37.21) 60.94,37.01 65.31,32.64 65.31,32.64 68.11,29.84 79.98,29.84 v1(80.42,30.28)
/base/Micro/AIN1_Filt: length 31.8
  Top w0.1: 61.51,38.39 v1(61.5,38.4) 62.45,38.39 IC6001.14 65.98,34.87 65.98,33.96 C6002.1 ; 80.42,31.78 v1(80.4,31.81) R6002.2
  Bottom w0.1: v1(80.4,31.81) 79.18,30.59 68.18,30.59 61.5,37.28 v1(61.5,38.4)
/base/Micro/AIN2_Filt: length 33.4
  Top w0.1: 62.12,39.44 62.1,39.46 v1(62.1,39.45) 62.11,39.45 65.76,35.8 IC6001.15 66.2,35.36 66.2,34.73 66.19,34.72 66.19,34.45 66.74,33.89 C6003.1 ; R6003.2 v1(80.4,33.33) 80.4,33.31
  Bottom w0.1: v1(62.1,39.45) 62.1,37.44 68.12,31.42 78.48,31.42 v1(80.4,33.33)
/base/Micro/AIN3_Filt: length 30
  Top w0.1: 63.16,41.12 v1(63.14,41.14) 63.16,40.62 66.19,37.59 66.19,37.48 66.82,36.85 IC6001.18 67.26,36.42 67.26,35.77 66.71,35.22 C6007.1 ; R6007.2 80.4,34.83 v1(80.4,34.83)
  Bottom w0.1: v1(80.4,34.83) 76.13,34.83 73.62,37.35 66.93,37.35 v1(63.14,41.14)
/base/Micro/AIN4_Filt: length 30.9
  Top w0.1: 80.4,36.36 v1(80.37,36.38) R6008.2 ; 63.94,42.23 v1(63.93,42.24) 63.94,40.45 IC6001.19 67.61,36.77 67.61,36.37 67.47,36.23 67.47,35.87 68.09,35.25 C6008.1